# KiCad board 96_keeb.kicad_pcb (continued)
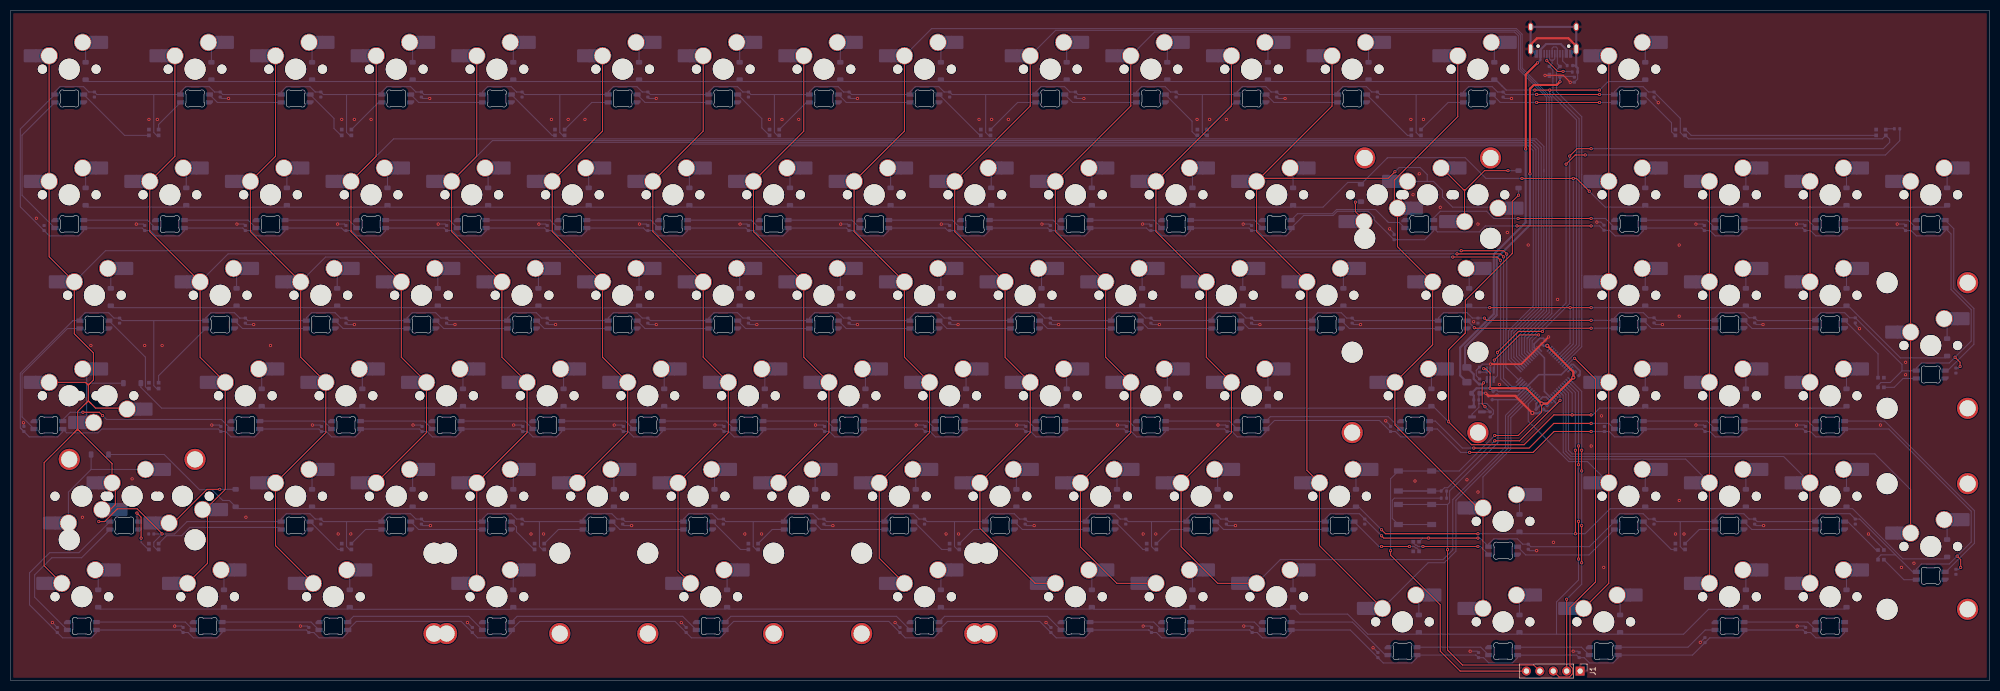
[diagram p0: board, top side]
## Placement (name value [footprint] x y rotation side) (continued)
MX90  MX_SW_HS  [SW_MX_HS_CPG151101S11_1u]  13.49 15.87 180 bottom
MX91  MX_SW_HS  [SW_MX_HS_CPG151101S11_1u]  37.31 15.87 180 bottom
MX92  MX_SW_HS  [SW_MX_HS_CPG151101S11_1u]  61.12 15.87 180 bottom
MX93  MX_SW_HS  [SW_MX_HS_CPG151101S11_1u]  92.08 15.87 180 bottom
MX94  MX_SW_HS  [SW_MX_HS_CPG151101S11_1u]  132.56 15.87 180 bottom
MX95  MX_SW_HS  [SW_MX_HS_CPG151101S11_1u]  173.04 15.87 180 bottom
MX96  MX_SW_HS  [SW_MX_HS_CPG151101S11_1u]  201.61 15.87 180 bottom
MX97  MX_SW_HS  [SW_MX_HS_CPG151101S11_1u]  220.66 15.87 180 bottom
MX98  MX_SW_HS  [SW_MX_HS_CPG151101S11_1u]  239.71 15.87 180 bottom
MX99  MX_SW_HS  [SW_MX_HS_CPG151101S11_1u]  325.44 15.87 180 bottom
MX100  MX_SW_HS  [SW_MX_HS_CPG151101S11_1u]  344.49 15.87 180 bottom
MX101  MX_SW_HS  [SW_MX_HS_CPG151101S11_1u]  263.52 11.11 180 bottom
MX102  MX_SW_HS  [SW_MX_HS_CPG151101S11_1u]  282.57 11.11 180 bottom
MX103  MX_SW_HS  [SW_MX_HS_CPG151101S11_1u]  301.62 11.11 180 bottom
R1  5.1k  [R_0402_1005Metric]  296.18 115.34 180 bottom
R2  5.1k  [R_0402_1005Metric]  295.22 116.57 0 bottom
R3  5.1k  [R_0402_1005Metric]  271.37 35.91 0 bottom
R4  5.1k  [R_0402_1005Metric]  271.37 34.56 180 bottom
R5  500OHM  [R_0402_1005Metric]  357.16 104.58 0 bottom
RST1  SW_SPST  [SW_SPST_TL3342]  265.9 31.46 180 bottom
S30  MX_stab  [STAB_MX_P_2u]  268.29 92.07 180 bottom
S53  MX_stab  [STAB_MX_P_2u]  363.54 63.5 90 bottom
S67  MX_stab  [STAB_MX_P_2.25u]  265.91 53.97 0 bottom
S72  MX_stab  [STAB_MX_P_2.25u]  23.02 34.92 180 bottom
S89  MX_stab  [STAB_MX_P_2u]  363.54 25.4 90 bottom
S93  MX_stab  [STAB_MX_P_2u]  92.08 15.87 0 bottom
S94  MX_stab  [STAB_MX_P_2.25u]  132.56 15.87 0 bottom
S94_main1  MX_stab  [STAB_MX_P_6.25u]  132.56 15.87 0 bottom
S95  MX_stab  [STAB_MX_P_2u]  173.04 15.87 0 bottom
U1  STM32F072CBT6  [LQFP-48_7x7mm_P0.5mm]  290.4 57.97 45 bottom
U2  TXB0101  [SOT-363_SC-70-6]  280.15 57.95 270 bottom
U3  PRTR5V0U2X  [SOT-143]  292.35 115.47 0 bottom
U4  XC6206PxxxMR-Regulator_Linear  [SOT-23]  277.63 50.91 0 bottom
ULED1  WS2812B-2020  [LED_WS2812B-2020_PLCC4_2.0x2.0mm]  27.11 103.89 0 bottom
ULED2  WS2812B-2020  [LED_WS2812B-2020_PLCC4_2.0x2.0mm]  63.61 103.89 0 bottom
ULED3  WS2812B-2020  [LED_WS2812B-2020_PLCC4_2.0x2.0mm]  103.99 103.89 0 bottom
ULED4  WS2812B-2020  [LED_WS2812B-2020_PLCC4_2.0x2.0mm]  144.61 103.89 0 bottom
ULED5  WS2812B-2020  [LED_WS2812B-2020_PLCC4_2.0x2.0mm]  184.61 103.89 0 bottom
ULED6  WS2812B-2020  [LED_WS2812B-2020_PLCC4_2.0x2.0mm]  225.61 103.89 0 bottom
ULED7  WS2812B-2020  [LED_WS2812B-2020_PLCC4_2.0x2.0mm]  266.11 103.89 0 bottom
ULED8  WS2812B-2020  [LED_WS2812B-2020_PLCC4_2.0x2.0mm]  316.11 103.89 0 bottom
ULED9  WS2812B-2020  [LED_WS2812B-2020_PLCC4_2.0x2.0mm]  354.11 103.89 0 bottom
ULED10  WS2812B-2020  [LED_WS2812B-2020_PLCC4_2.0x2.0mm]  27.11 55.89 0 bottom
ULED11  WS2812B-2020  [LED_WS2812B-2020_PLCC4_2.0x2.0mm]  354.11 56.48 270 bottom
ULED12  WS2812B-2020  [LED_WS2812B-2020_PLCC4_2.0x2.0mm]  27.11 25.39 0 bottom
ULED13  WS2812B-2020  [LED_WS2812B-2020_PLCC4_2.0x2.0mm]  63.61 25.39 0 bottom
ULED14  WS2812B-2020  [LED_WS2812B-2020_PLCC4_2.0x2.0mm]  100.12 25.39 0 bottom
ULED15  WS2812B-2020  [LED_WS2812B-2020_PLCC4_2.0x2.0mm]  140.61 25.39 0 bottom
ULED16  WS2812B-2020  [LED_WS2812B-2020_PLCC4_2.0x2.0mm]  178.71 25.39 0 bottom
ULED17  WS2812B-2020  [LED_WS2812B-2020_PLCC4_2.0x2.0mm]  216.01 25.39 0 bottom
ULED18  WS2812B-2020  [LED_WS2812B-2020_PLCC4_2.0x2.0mm]  266.11 25.39 90 bottom
ULED19  WS2812B-2020  [LED_WS2812B-2020_PLCC4_2.0x2.0mm]  316.11 25.39 0 bottom
ULED20  WS2812B-2020  [LED_WS2812B-2020_PLCC4_2.0x2.0mm]  354.11 23.81 270 bottom

## Library data of the parts
C1-C12 = -: LCSC: C307331; ki_fp_filters: C_*
C13-C110 = -: Description: Unpolarized capacitor; ki_fp_filters: C_*
D1-D100 = -: Description: Diode; Sim.Pins: 1=K 2=A; ki_fp_filters: TO-???* *_Diode_* *SingleDiode* D_*
F1 = -: LCSC: C135341; ki_fp_filters: *polyfuse* *PTC*
J1 = -: Description: Generic connector, single row, 01x05, script generated (kicad-library-utils/schlib/autogen/connector/); ki_fp_filters: Connector*:*_1x??_*
J2 = -: Datasheet: https://www.usb.org/sites/default/files/documents/usb_type-c.zip; JlcPosOffset: 0,1.5; JlcRotOffset: 180; ki_fp_filters: USB*C*Receptacle*
LED1-LED98 = -: Description: Reverse mount adressable LED (WS2812 protocol)
MX1-MX103 = -: Description: Push button switch, normally open, two pins, 45° tilted, Kailh CPG151101S11 for Cherry MX style switches
R1-R4 = -: ki_fp_filters: R_*
R5 = -: Description: Resistor; ki_fp_filters: R_*
S30 S53 S67 S72 S89 S93 S94 S94_main1 S95 = -: Description: Cherry MX-style stabilizer
U1 = -: Datasheet: https://www.st.com/resource/en/datasheet/stm32f072cb.pdf; JlcRotOffset: 90; ki_fp_filters: LQFP*7x7mm*P0.5mm*
U2 = -: Datasheet: https://datasheet.lcsc.com/szlcsc/Texas-Instruments-TI-TXB0101DCKR_C324081.pdf; Description: 1-Bit Bidirectional Voltage-Level Translator; LCSC: C324081; ki_fp_filters: TSSOP*P0.65mm*
U3 = -: Datasheet: https://assets.nexperia.com/documents/data-sheet/PRTR5V0U2X.pdf; LCSC: C2827688; JlcRotOffset: 90; ki_fp_filters: SOT?143*
U4 = -: Datasheet: https://www.torexsemi.com/file/xc6206/XC6206.pdf; LCSC: C5446; ki_fp_filters: SOT?23*
ULED1-ULED20 = -: Datasheet: https://cdn-shop.adafruit.com/product-files/4684/4684_WS2812B-2020_V1.3_EN.pdf; Description: RGB LED with integrated controller, 2.0 x 2.0 mm, 12 mA; ki_fp_filters: LED*WS2812*-2020_PLCC4*

## Footprints (pads in the part's own frame, mm; a bottom-side part is the same pattern mirrored in y, then rotated)
C_0402_1005Metric
  rrect 0.56x0.62 smd: 1(-0.48,0) 2(0.48,0)
C_0603_1608Metric
  rrect 0.9x0.95 smd: 1(-0.775,0) 2(0.775,0)
D_SOD-123
  rrect 0.9x1.2 smd: 1(-1.65,0) 2(1.65,0)
Fuse_1206_3216Metric
  rrect 1.25x1.75 smd: 1(-1.4,0) 2(1.4,0)
LED_6028R
  rrect 1.35x0.82 smd: 1(2.725,0.75) 2(2.725,-0.75) 3(-2.725,0.75) 4(-2.725,-0.75)
LED_WS2812B-2020_PLCC4_2.0x2.0mm
  rect 0.7x0.7 smd: 1(-0.915,0.55) 2(-0.915,-0.55) 3(0.915,-0.55) 4(0.915,0.55)
LQFP-48_7x7mm_P0.5mm
  rrect 1.475x0.3 smd: 1(-4.162,2.75) 2(-4.162,2.25) 3(-4.162,1.75) 4(-4.162,1.25) 5(-4.162,0.75) 6(-4.162,0.25) 7(-4.162,-0.25) 8(-4.162,-0.75) 9(-4.162,-1.25) 10(-4.162,-1.75) 11(-4.162,-2.25) 12(-4.162,-2.75) 25(4.162,-2.75) 26(4.162,-2.25) 27(4.162,-1.75) 28(4.162,-1.25) 29(4.162,-0.75) 30(4.162,-0.25) 31(4.162,0.25) 32(4.162,0.75) 33(4.162,1.25) 34(4.162,1.75) 35(4.162,2.25) 36(4.162,2.75)
  rrect 0.3x1.475 smd: 13(-2.75,-4.162) 14(-2.25,-4.162) 15(-1.75,-4.162) 16(-1.25,-4.162) 17(-0.75,-4.162) 18(-0.25,-4.162) 19(0.25,-4.162) 20(0.75,-4.162) 21(1.25,-4.162) 22(1.75,-4.162) 23(2.25,-4.162) 24(2.75,-4.162) 37(2.75,4.162) 38(2.25,4.162) 39(1.75,4.162) 40(1.25,4.162) 41(0.75,4.162) 42(0.25,4.162) 43(-0.25,4.162) 44(-0.75,4.162) 45(-1.25,4.162) 46(-1.75,4.162) 47(-2.25,4.162) 48(-2.75,4.162)
PinHeader_1x05_P2.54mm_Vertical
  rect 1.7x1.7 hole 1: 1(0,0)
  oval 1.7x1.7 hole 1: 2(0,-2.54) 3(0,-5.08) 4(0,-7.62) 5(0,-10.16)
R_0402_1005Metric
  rrect 0.54x0.64 smd: 1(-0.51,0) 2(0.51,0)
SOT-23
  rrect 1.475x0.6 smd: 1(-0.938,0.95) 2(-0.938,-0.95) 3(0.938,0)
SOT-143
  rrect 0.7x1 smd: 1(-1,0.75)
  rrect 0.7x0.6 smd: 2(-1,-0.95) 3(1,-0.95) 4(1,0.95)
SOT-363_SC-70-6
  rrect 1.325x0.4 smd: 1(-0.887,0.65) 2(-0.887,0) 3(-0.887,-0.65) 4(0.887,-0.65) 5(0.887,0) 6(0.887,0.65)
STAB_MX_P_2.25u
  round 3.988 hole 3.988 unplated: (-11.906,-8.255) (11.906,-8.255)
  round 4 hole 3.048: (-11.906,6.985) (11.906,6.985)
STAB_MX_P_2u
  round 3.988 hole 3.988 unplated: (-11.906,-8.255) (11.906,-8.255)
  round 4 hole 3.048: (-11.906,6.985) (11.906,6.985)
STAB_MX_P_6.25u
  round 3.988 hole 3.988 unplated: (-50.006,-8.255) (50.006,-8.255)
  round 4 hole 3.048: (-50.006,6.985) (50.006,6.985)
SW_MX_HS_CPG151101S11_1u
  round 1.75 hole 1.75 unplated: (-5.08,0) (5.08,0)
  round 3.988 hole 3.988 unplated: (0,0)
  round 3.3 hole 3: 1(3.81,2.54) 2(-2.54,5.08)
  rect 1.65x2.5 smd: 1(5.635,2.54) 2(-4.34,5.08)
  rrect 2.55x2.5 smd: 1(7.36,2.54) 2(-6.09,5.08)
SW_SPST_TL3342
  rect 1.7x1 smd: 1(-3.15,1.9) 1(3.15,1.9) 2(-3.15,-1.9) 2(3.15,-1.9)
USB_C_Receptacle_HRO_TYPE-C-31-M-12
  round 0.65 hole 0.65 unplated: (-2.89,2.6) (2.89,2.6)
  rect 0.6x1.45 smd: A1(-3.25,4.045) A4(-2.45,4.045) A9(2.45,4.045) A12(3.25,4.045) B1(3.25,4.045) B4(2.45,4.045) B9(-2.45,4.045) B12(-3.25,4.045)
  rect 0.3x1.45 smd: A5(-1.25,4.045) A6(-0.25,4.045) A7(0.25,4.045) A8(1.25,4.045) B5(1.75,4.045) B6(0.75,4.045) B7(-0.75,4.045) B8(-1.75,4.045)
  oval 1x1.6 hole 0.6x1.2: S1(-4.32,-1.05) S1(4.32,-1.05)
  oval 1x2.1 hole 0.6x1.7: S1(-4.32,3.13) S1(4.32,3.13)

## Nets
+3V3: BOOT1.1 C1.2 C4.1 C5.1 C6.1 C7.1 C8.1 C9.1 C12.1 J1.5 U1.1 U1.9 U1.24 U1.36 U1.48 U2.1 U2.5 U4.2
+5V: C2.1 C10.1 C11.1 F1.2 U2.6 U3.4 U4.3
GND: C1.1 C2.2 C3.2 C4.2 C5.2 C6.2 C7.2 C8.2 C9.2 C10.2 C11.2 C12.2 C13.1 C14.1 C15.1 C16.1 C17.1 C18.1 C19.1 C20.1 C21.1 C22.1 C23.1 C24.1 C25.1 C26.1 C27.1 C28.1 C29.1 C30.1 C31.1 C32.1 C33.1 C34.1 C35.1 C36.1 C37.1 C38.1 C39.1 C40.1 C41.1 C42.1 C43.1 C44.1 C45.1 C46.1 C47.1 C48.1 C49.1 C50.1 C51.1 C52.1 C53.1 C54.1 C55.1 C56.1 C57.1 C58.1 C59.1 C60.1 C61.1 C62.1 C63.1 C64.1 C65.1 C66.1 C67.1 C68.1 C69.1 C70.1 C71.1 C72.1 C73.1 C74.1 C75.1 C76.1 C77.1 C78.1 C79.1 C80.1 C81.1 C82.1 C83.1 C84.1 C85.1 C86.1 C87.1 C88.1 C89.1 C90.1 C91.1 C92.1 C93.1 C94.1 C95.1 C96.1 C97.1 C98.1 C99.1 C100.1 C101.1 C102.1 C103.1 C104.1 C105.1 C106.1 C107.1 C108.1 C109.1 C110.1 J1.1 J2.A1 J2.A12 J2.B1 J2.B12 J2.S1 LED1.4 LED2.4 LED3.4 LED4.4 LED5.4 LED6.4 LED7.4 LED8.4 LED9.4 LED10.4 LED11.4 LED12.4 LED13.4 LED14.4 LED15.4 LED16.4 LED17.4 LED18.4 LED19.4 LED20.4 LED21.4 LED22.4 LED23.4 LED24.4 LED25.4 LED26.4 LED27.4 LED28.4 LED29.4 LED30.4 LED31.4 LED32.4 LED33.4 LED34.4 LED35.4 LED36.4 LED37.4 LED38.4 LED39.4 LED40.4 LED41.4 LED42.4 LED43.4 LED44.4 LED45.4 LED46.4 LED47.4 LED48.4 LED49.4 LED50.4 LED51.4 LED52.4 LED53.4 LED54.4 LED55.4 LED56.4 LED57.4 LED58.4 LED59.4 LED60.4 LED61.4 LED62.4 LED63.4 LED64.4 LED65.4 LED66.4 LED67.4 LED68.4 LED69.4 LED70.4 LED71.4 LED72.4 LED73.4 LED74.4 LED75.4 LED76.4 LED77.4 LED78.4 LED79.4 LED80.4 LED81.4 LED82.4 LED83.4 LED84.4 LED85.4 LED86.4 LED87.4 LED88.4 LED89.4 LED90.4 LED91.4 LED92.4 LED93.4 LED94.4 LED95.4 LED96.4 LED97.4 LED98.4 R1.1 R2.2 R4.2 RST1.2 U1.8 U1.23 U1.35 U1.47 U2.2 U3.1 U4.1 ULED1.2 ULED2.2 ULED3.2 ULED4.2 ULED5.2 ULED6.2 ULED7.2 ULED8.2 ULED9.2 ULED10.2 ULED11.2 ULED12.2 ULED13.2 ULED14.2 ULED15.2 ULED16.2 ULED17.2 ULED18.2 ULED19.2 ULED20.2
VBUS: F1.1 J2.A4 J2.A9 J2.B4 J2.B9
/B12: U1.25
/B13: U1.26
/B14: U1.27
/B15: U1.28
/C13: U1.2
BOOT0: BOOT1.2 R3.1 U1.44
col_0: MX1.1 MX16.1 MX36.1 MX54.1 MX55.1 MX71.1 MX72.1 MX90.1 U1.12
col_1: MX2.1 MX17.1 MX37.1 MX56.1 MX73.1 MX91.1 U1.11
col_2: MX3.1 MX18.1 MX38.1 MX57.1 MX74.1 MX92.1 U1.10
col_3: MX4.1 MX19.1 MX39.1 MX58.1 MX75.1 U1.17
col_4: MX5.1 MX20.1 MX40.1 MX59.1 MX76.1 MX93.1 U1.16
col_5: MX6.1 MX21.1 MX41.1 MX60.1 MX77.1 U1.15
col_6: MX7.1 MX22.1 MX42.1 MX61.1 MX78.1 MX94.1 U1.14
col_7: MX8.1 MX23.1 MX43.1 MX62.1 MX79.1 U1.13
col_8: MX9.1 MX24.1 MX44.1 MX63.1 MX80.1 MX95.1 U1.20
col_9: MX10.1 MX25.1 MX45.1 MX64.1 MX81.1 MX96.1 U1.19
col_10: MX11.1 MX26.1 MX46.1 MX65.1 MX82.1 MX97.1 U1.18
col_11: MX12.1 MX27.1 MX47.1 MX66.1 MX83.1 MX98.1 U1.6
col_12: MX13.1 MX28.1 MX30.1 MX31.1 MX48.1 MX84.1 MX101.1 U1.5
col_13: MX14.1 MX29.1 MX49.1 MX67.1 MX88.1 MX102.1 U1.4
col_14: MX15.1 MX32.1 MX50.1 MX68.1 MX85.1 MX103.1 U1.3
col_15: MX33.1 MX51.1 MX69.1 MX86.1 MX99.1 U1.43
col_16: MX34.1 MX52.1 MX70.1 MX87.1 MX100.1 U1.42
col_17: MX35.1 MX53.1 MX89.1 U1.41
D+: J2.A6 J2.B6 U1.33 U3.3
D-: J2.A7 J2.B7 U1.32 U3.2
led_input: R5.2 U1.21
led_input_1: LED1.2 LED16.3
led_input_2: LED33.2 LED51.3
led_input_3: LED34.2 LED52.3
led_input_4: LED67.2 LED84.3
led_input_5: LED68.2 LED85.3
NRST: C3.1 J1.4 RST1.1 U1.7
RGB3.3: U1.22 U2.3
RGB5v: C13.2 C14.2 C15.2 C16.2 C17.2 C18.2 C19.2 C20.2 C21.2 C22.2 C23.2 C24.2 C25.2 C26.2 C27.2 C28.2 C29.2 C30.2 C31.2 C32.2 C33.2 C34.2 C35.2 C36.2 C37.2 C38.2 C39.2 C40.2 C41.2 C42.2 C43.2 C44.2 C45.2 C46.2 C47.2 C48.2 C49.2 C50.2 C51.2 C52.2 C53.2 C54.2 C55.2 C56.2 C57.2 C58.2 C59.2 C60.2 C61.2 C62.2 C63.2 C64.2 C65.2 C66.2 C67.2 C68.2 C69.2 C70.2 C71.2 C72.2 C73.2 C74.2 C75.2 C76.2 C77.2 C78.2 C79.2 C80.2 C81.2 C82.2 C83.2 C84.2 C85.2 C86.2 C87.2 C88.2 C89.2 C90.2 C91.2 C92.2 C93.2 C94.2 C95.2 C96.2 C97.2 C98.2 C99.2 C100.2 C101.2 C102.2 C103.2 C104.2 C105.2 C106.2 C107.2 C108.2 C109.2 C110.2 LED1.1 LED2.1 LED3.1 LED4.1 LED5.1 LED6.1 LED7.1 LED8.1 LED9.1 LED10.1 LED11.1 LED12.1 LED13.1 LED14.1 LED15.1 LED16.1 LED17.1 LED18.1 LED19.1 LED20.1 LED21.1 LED22.1 LED23.1 LED24.1 LED25.1 LED26.1 LED27.1 LED28.1 LED29.1 LED30.1 LED31.1 LED32.1 LED33.1 LED34.1 LED35.1 LED36.1 LED37.1 LED38.1 LED39.1 LED40.1 LED41.1 LED42.1 LED43.1 LED44.1 LED45.1 LED46.1 LED47.1 LED48.1 LED49.1 LED50.1 LED51.1 LED52.1 LED53.1 LED54.1 LED55.1 LED56.1 LED57.1 LED58.1 LED59.1 LED60.1 LED61.1 LED62.1 LED63.1 LED64.1 LED65.1 LED66.1 LED67.1 LED68.1 LED69.1 LED70.1 LED71.1 LED72.1 LED73.1 LED74.1 LED75.1 LED76.1 LED77.1 LED78.1 LED79.1 LED80.1 LED81.1 LED82.1 LED83.1 LED84.1 LED85.1 LED86.1 LED87.1 LED88.1 LED89.1 LED90.1 LED91.1 LED92.1 LED93.1 LED94.1 LED95.1 LED96.1 LED97.1 LED98.1 U2.4 ULED1.4 ULED2.4 ULED3.4 ULED4.4 ULED5.4 ULED6.4 ULED7.4 ULED8.4 ULED9.4 ULED10.4 ULED11.4 ULED12.4 ULED13.4 ULED14.4 ULED15.4 ULED16.4 ULED17.4 ULED18.4 ULED19.4 ULED20.4
row_0: D1.1 D2.1 D3.1 D4.1 D5.1 D6.1 D7.1 D8.1 D9.1 D10.1 D11.1 D12.1 D13.1 D14.1 D15.1 U1.31
row_1: D16.1 D17.1 D18.1 D19.1 D20.1 D21.1 D22.1 D23.1 D24.1 D25.1 D26.1 D27.1 D28.1 D29.1 D31.1 D32.1 D33.1 D34.1 U1.30
row_2: D35.1 D36.1 D37.1 D38.1 D39.1 D40.1 D41.1 D42.1 D43.1 D44.1 D45.1 D46.1 D47.1 D48.1 D49.1 D50.1 D51.1 D52.1 U1.29
row_3: D30.1 D53.1 D54.1 D55.1 D56.1 D57.1 D58.1 D59.1 D60.1 D61.1 D62.1 D63.1 D64.1 D65.1 D66.1 D67.1 D68.1 U1.40
row_4: D69.1 D70.1 D71.1 D72.1 D73.1 D74.1 D75.1 D76.1 D77.1 D78.1 D79.1 D80.1 D81.1 D82.1 D83.1 D84.1 D85.1 D86.1 U1.39
row_5: D87.1 D88.1 D89.1 D90.1 D91.1 D92.1 D93.1 D94.1 D95.1 D96.1 D97.1 D98.1 D99.1 D100.1 U1.38
SCL: U1.45
SDA: U1.46
SWCLK: J1.2 U1.37
SWD: J1.3 U1.34
Net-(D1-A): D1.2 MX1.2
Net-(D2-A): D2.2 MX2.2
Net-(D3-A): D3.2 MX3.2
Net-(D4-A): D4.2 MX4.2
Net-(D5-A): D5.2 MX5.2
Net-(D6-A): D6.2 MX6.2
Net-(D7-A): D7.2 MX7.2
Net-(D8-A): D8.2 MX8.2
Net-(D9-A): D9.2 MX9.2
Net-(D10-A): D10.2 MX10.2
Net-(D11-A): D11.2 MX11.2
Net-(D12-A): D12.2 MX12.2
Net-(D13-A): D13.2 MX13.2
Net-(D14-A): D14.2 MX14.2
Net-(D15-A): D15.2 MX15.2
Net-(D16-A): D16.2 MX16.2
Net-(D17-A): D17.2 MX17.2
Net-(D18-A): D18.2 MX18.2
Net-(D19-A): D19.2 MX19.2
Net-(D20-A): D20.2 MX20.2
Net-(D21-A): D21.2 MX21.2
Net-(D22-A): D22.2 MX22.2
Net-(D23-A): D23.2 MX23.2
Net-(D24-A): D24.2 MX24.2
Net-(D25-A): D25.2 MX25.2
Net-(D26-A): D26.2 MX26.2
Net-(D27-A): D27.2 MX27.2
Net-(D28-A): D28.2 MX28.2
Net-(D29-A): D29.2 MX29.2
Net-(D30-A): D30.2 MX30.2 MX31.2
Net-(D31-A): D31.2 MX32.2
Net-(D32-A): D32.2 MX33.2
Net-(D33-A): D33.2 MX34.2
Net-(D34-A): D34.2 MX35.2
Net-(D35-A): D35.2 MX36.2
Net-(D36-A): D36.2 MX37.2
Net-(D37-A): D37.2 MX38.2
Net-(D38-A): D38.2 MX39.2
Net-(D39-A): D39.2 MX40.2
Net-(D40-A): D40.2 MX41.2
Net-(D41-A): D41.2 MX42.2
Net-(D42-A): D42.2 MX43.2
Net-(D43-A): D43.2 MX44.2
Net-(D44-A): D44.2 MX45.2
Net-(D45-A): D45.2 MX46.2
Net-(D46-A): D46.2 MX47.2
Net-(D47-A): D47.2 MX48.2
Net-(D48-A): D48.2 MX49.2
Net-(D49-A): D49.2 MX50.2
Net-(D50-A): D50.2 MX51.2
Net-(D51-A): D51.2 MX52.2
Net-(D52-A): D52.2 MX53.2
Net-(D53-A): D53.2 MX54.2 MX55.2
Net-(D54-A): D54.2 MX56.2
Net-(D55-A): D55.2 MX57.2
Net-(D56-A): D56.2 MX58.2
Net-(D57-A): D57.2 MX59.2
Net-(D58-A): D58.2 MX60.2
Net-(D59-A): D59.2 MX61.2
Net-(D60-A): D60.2 MX62.2
Net-(D61-A): D61.2 MX63.2
Net-(D62-A): D62.2 MX64.2
Net-(D63-A): D63.2 MX65.2
Net-(D64-A): D64.2 MX66.2
Net-(D65-A): D65.2 MX67.2
Net-(D66-A): D66.2 MX68.2
Net-(D67-A): D67.2 MX69.2
Net-(D68-A): D68.2 MX70.2
Net-(D69-A): D69.2 MX71.2 MX72.2
Net-(D70-A): D70.2 MX73.2
Net-(D71-A): D71.2 MX74.2
Net-(D72-A): D72.2 MX75.2
Net-(D73-A): D73.2 MX76.2
Net-(D74-A): D74.2 MX77.2
Net-(D75-A): D75.2 MX78.2
Net-(D76-A): D76.2 MX79.2
Net-(D77-A): D77.2 MX80.2
Net-(D78-A): D78.2 MX81.2
Net-(D79-A): D79.2 MX82.2
Net-(D80-A): D80.2 MX83.2
Net-(D81-A): D81.2 MX84.2
Net-(D82-A): D82.2 MX85.2
Net-(D83-A): D83.2 MX86.2
Net-(D84-A): D84.2 MX87.2
Net-(D85-A): D85.2 MX88.2
Net-(D86-A): D86.2 MX89.2
Net-(D87-A): D87.2 MX90.2
Net-(D88-A): D88.2 MX91.2
Net-(D89-A): D89.2 MX92.2
Net-(D90-A): D90.2 MX93.2
Net-(D91-A): D91.2 MX94.2
Net-(D92-A): D92.2 MX95.2
Net-(D93-A): D93.2 MX96.2
Net-(D94-A): D94.2 MX97.2
Net-(D95-A): D95.2 MX98.2
Net-(D96-A): D96.2 MX99.2
Net-(D97-A): D97.2 MX100.2
Net-(D98-A): D98.2 MX101.2
Net-(D99-A): D99.2 MX102.2
Net-(D100-A): D100.2 MX103.2
Net-(J2-CC1): J2.A5 R1.2
Net-(J2-CC2): J2.B5 R2.1
Net-(LED1-DIN): LED1.3 ULED1.1
Net-(LED2-DIN): LED2.3 LED3.2
Net-(LED2-DOUT): LED2.2 ULED1.3
Net-(LED3-DIN): LED3.3 ULED2.1
Net-(LED4-DIN): LED4.3 LED5.2
Net-(LED4-DOUT): LED4.2 ULED2.3
Net-(LED5-DIN): LED5.3 ULED3.1
Net-(LED6-DIN): LED6.3 LED7.2
Net-(LED6-DOUT): LED6.2 ULED3.3
Net-(LED7-DIN): LED7.3 ULED4.1
Net-(LED8-DIN): LED8.3 LED9.2
Net-(LED8-DOUT): LED8.2 ULED4.3
Net-(LED9-DIN): LED9.3 ULED5.1
Net-(LED10-DIN): LED10.3 LED11.2
Net-(LED10-DOUT): LED10.2 ULED5.3
Net-(LED11-DIN): LED11.3 ULED6.1
Net-(LED12-DIN): LED12.3 LED13.2
Net-(LED12-DOUT): LED12.2 ULED6.3
Net-(LED13-DIN): LED13.3 ULED7.1
Net-(LED14-DIN): LED14.3 LED15.2
Net-(LED14-DOUT): LED14.2 ULED7.3
Net-(LED15-DIN): LED15.3 ULED8.1
Net-(LED16-DOUT): LED16.2 LED17.3
Net-(LED17-DOUT): LED17.2 LED18.3
Net-(LED18-DOUT): LED18.2 LED19.3
Net-(LED19-DOUT): LED19.2 LED20.3
Net-(LED20-DOUT): LED20.2 LED21.3
Net-(LED21-DOUT): LED21.2 LED22.3
Net-(LED22-DOUT): LED22.2 LED23.3
Net-(LED23-DOUT): LED23.2 LED24.3
Net-(LED24-DOUT): LED24.2 LED25.3
Net-(LED25-DOUT): LED25.2 LED26.3
Net-(LED26-DOUT): LED26.2 LED27.3
Net-(LED27-DOUT): LED27.2 LED28.3
Net-(LED28-DOUT): LED28.2 LED29.3
Net-(LED29-DOUT): LED29.2 LED30.3
Net-(LED30-DOUT): LED30.2 LED31.3
Net-(LED31-DOUT): LED31.2 LED32.3
Net-(LED32-DOUT): LED32.2 LED33.3
Net-(LED34-DIN): LED34.3 ULED10.1
Net-(LED35-DIN): LED35.3 LED36.2
Net-(LED35-DOUT): LED35.2 ULED10.3
Net-(LED36-DIN): LED36.3 LED37.2
Net-(LED37-DIN): LED37.3 LED38.2
Net-(LED38-DIN): LED38.3 LED39.2
Net-(LED39-DIN): LED39.3 LED40.2
Net-(LED40-DIN): LED40.3 LED41.2
Net-(LED41-DIN): LED41.3 LED42.2
Net-(LED42-DIN): LED42.3 LED43.2
Net-(LED43-DIN): LED43.3 LED44.2
Net-(LED44-DIN): LED44.3 LED45.2
Net-(LED45-DIN): LED45.3 LED46.2
Net-(LED46-DIN): LED46.3 LED47.2
Net-(LED47-DIN): LED47.3 LED48.2
Net-(LED48-DIN): LED48.3 LED49.2
Net-(LED49-DIN): LED49.3 LED50.2
Net-(LED50-DIN): LED50.3 ULED11.1
Net-(LED51-DOUT): LED51.2 ULED11.3
Net-(LED52-DOUT): LED52.2 LED53.3
Net-(LED53-DOUT): LED53.2 LED54.3
Net-(LED54-DOUT): LED54.2 LED55.3
Net-(LED55-DOUT): LED55.2 LED56.3
Net-(LED56-DOUT): LED56.2 LED57.3
Net-(LED57-DOUT): LED57.2 LED58.3
Net-(LED58-DOUT): LED58.2 LED59.3
Net-(LED59-DOUT): LED59.2 LED60.3
Net-(LED60-DOUT): LED60.2 LED61.3
Net-(LED61-DOUT): LED61.2 LED62.3
Net-(LED62-DOUT): LED62.2 LED63.3
Net-(LED63-DOUT): LED63.2 LED64.3
Net-(LED64-DOUT): LED64.2 LED65.3
Net-(LED65-DOUT): LED65.2 LED66.3
Net-(LED66-DOUT): LED66.2 LED67.3
Net-(LED68-DIN): LED68.3 ULED12.1
Net-(LED69-DIN): LED69.3 ULED13.1
Net-(LED69-DOUT): LED69.2 ULED12.3
Net-(LED70-DIN): LED70.3 LED71.2
Net-(LED70-DOUT): LED70.2 ULED13.3
Net-(LED71-DIN): LED71.3 ULED14.1
Net-(LED72-DIN): LED72.3 LED73.2
Net-(LED72-DOUT): LED72.2 ULED14.3
Net-(LED73-DIN): LED73.3 ULED15.1
Net-(LED74-DIN): LED74.3 LED75.2
Net-(LED74-DOUT): LED74.2 ULED15.3
Net-(LED75-DIN): LED75.3 ULED16.1
Net-(LED76-DIN): LED76.3 LED77.2
Net-(LED76-DOUT): LED76.2 ULED16.3
Net-(LED77-DIN): LED77.3 ULED17.1
Net-(LED78-DIN): LED78.3 LED79.2
Net-(LED78-DOUT): LED78.2 ULED17.3
Net-(LED79-DIN): LED79.3 ULED18.1
Net-(LED80-DIN): LED80.3 LED81.2
Net-(LED80-DOUT): LED80.2 ULED18.3
Net-(LED81-DIN): LED81.3 ULED19.1
Net-(LED82-DIN): LED82.3 LED83.2
Net-(LED82-DOUT): LED82.2 ULED19.3
Net-(LED83-DIN): LED83.3 ULED20.1
Net-(LED84-DOUT): LED84.2 ULED20.3
Net-(LED85-DOUT): LED85.2 LED86.3
Net-(LED86-DOUT): LED86.2 LED87.3
Net-(LED87-DOUT): LED87.2 LED88.3
Net-(LED88-DOUT): LED88.2 LED89.3
Net-(LED89-DOUT): LED89.2 LED90.3
Net-(LED90-DOUT): LED90.2 LED91.3
Net-(LED91-DOUT): LED91.2 LED92.3
Net-(LED92-DOUT): LED92.2 LED93.3
Net-(LED93-DOUT): LED93.2 LED94.3
Net-(LED94-DOUT): LED94.2 LED95.3
Net-(LED95-DOUT): LED95.2 LED96.3
Net-(LED96-DOUT): LED96.2 LED97.3
Net-(LED97-DOUT): LED97.2 LED98.3
Net-(R3-Pad2): R3.2 R4.1
Net-(ULED8-DIN): ULED8.3 ULED9.1
Net-(ULED9-DIN): R5.1 ULED9.3

Pads without a net: J2 A8 B8; LED98 2

## Via types
v1: diameter 0.6, hole 0.3, Top to Bottom, 238 vias
v2: diameter 0.8, hole 0.4, Top to Bottom, 4 vias

## Routing (per net, layer and track width the routed paths; a pad name or vN(x,y) marks a point on that pad's centre or on a via; arc(x,y) is an arc through that point)
+3V3: length 152.4
  Top w0.2: v1(261.27,24.61) 261.27,23.75 270.67,14.35 270.67,5.56 274.44,1.78 J1.5 ; v1(280.99,46.44) 285.45,46.44 289.87,50.86 v2(289.87,52.49) ; v1(280.12,55.39) 280.12,58.24 279.26,59.1 v1(278.9,59.1)
  Top w0.4: v1(280.12,55.39) 286.96,55.39 v2(289.87,52.49) 290.93,52.49 v2(295.88,57.44) 295.88,58.5 v2(290.93,63.45)
  Bottom w0.2: U2.1 279.16,58.84 v1(278.9,59.1) ; v1(261.27,24.61) 261.27,38.23 BOOT1.1 BOOT1.1 274.26,39.71 v1(280.99,46.44) ; C1.2 279.41,58.45
  Bottom w0.3: C5.1 295.76,58.97 U1.36 ; U1.24 289.4,63.33 C6.1 ; C9.1 280.94,55.01 281.44,55.01 281.66,54.79 285.45,54.79 ; 285.59,54.93 285.45,54.79 ; 285.59,54.93 U1.9 ; 285.59,54.93 285.45,54.79 ; C8.1 288.82,52.5 U1.1 290.04,53.72 290.75,53.72 U1.48 291.4,52.6 C7.1
  Bottom w0.4: C6.1 290.25,63.45 v2(290.93,63.45) ; C7.1 290.55,52.49 v2(289.87,52.49) 289.87,52.46 C8.1 ; C5.1 295.88,58.12 v2(295.88,57.44) ; U2.5 280.15,55.42 v1(280.12,55.39) ; C4.1 277.54,55.39 v1(280.12,55.39) ; 276.63,54.43 277.03,54.02 C12.1 277.03,52.2 U4.2 ; v1(280.12,55.39) C9.1
+5V: length 81.1
  Top w0.2: v1(279.14,51.89) 278.61,52.43 278.61,56.15 278.85,56.4 v1(278.85,56.41)
  Top w0.4: v1(293.35,113.51) 292.75,112.91 288.4,112.91 287.66,112.18 v1(287.66,96.04)
  Bottom w0.2: U4.3 280.12,50.91 ; 295.91,114.52 U3.4 ; v1(279.14,51.89) C11.1 ; v1(278.85,56.41) U2.6
  Bottom w0.4: v1(293.35,113.51) U3.4 ; 275.36,59.71 275.36,63.24 281.36,69.24 281.36,80.08 287.66,86.38 v1(287.66,96.04) ; F1.2 277.02,58.05 277.02,57.15 277.98,56.19 C2.1 278.63,56.19 v1(278.85,56.41)
GND: length 282.8
  Top w0.2: v1(290.51,114.72) 293.96,114.72 v1(295.27,113.4) ; 280.38,59.97 280.4,59.99 280.46,59.99
  Top w0.3: v1(291.19,65.13) 286.04,59.97 v1(280.19,59.97) 280.38,59.97 280.4,59.95
  Top w0.4: 296.42,120.27 294.95,121.74 288.99,121.74 287.78,120.53 ; v1(279.29,54.45) 279.77,53.97 284.84,53.97 v2(288.11,50.71)
  Bottom w0.2: v1(190.5,48.42) 191.94,48.42 C73.1 ; v1(122.24,67.47) 120.92,67.47 C51.1 ; C82.1 78.07,29.36 v1(79.49,29.36) ; v1(86.5,10.97) C100.1 ; C75.1 230.04,48.42 v1(228.6,48.42) ; v1(122.24,110.33) 120.92,110.33 C18.1 ; C107.1 277.67,5.54 v1(276.34,5.54) ; C64.1 2.52,48.77 v1(2.45,48.84) ; v1(338.25,10.31) 339.58,10.31 C110.1 ; C49.1 82.82,67.47 v1(84.14,67.47) ; v1(195.26,86.52) 196.58,86.52 C38.1 ; v1(54.88,10.31) 56.21,10.31 C99.1 ; C33.1 101.33,86.52 v1(100.01,86.52) ; v1(42.86,86.52) 44.18,86.52 C30.1 ; v1(319.09,48.42) 320.53,48.42 C78.1 ; v1(117.59,29.36) 116.17,29.36 C84.1 ; v1(288.93,24.61) 287.61,24.61 C92.1 ; v1(65.09,67.47) 63.77,67.47 C48.1 ; v1(23.81,86.52) 25.13,86.52 C29.1 ; C68.1 96.69,48.42 v1(95.25,48.42) ; v1(261.09,85.62) 261.94,84.77 C41.1 ; v1(233.47,10.31) 234.8,10.31 C105.1 ; v1(31.07,10.31) 32.4,10.31 C98.1 ; C1.1 278.67,59.97 v1(280.19,59.97) 280.19,59.78 280.15,59.74 U2.2 ; C1.1 277.5,58.8 277.5,57.77 C2.2 ; C1.1 277.57,58.87 277.57,58.85 277.5,58.78 ; v1(160.34,110.33) 159.02,110.33 C20.1 ; C37.1 177.53,86.52 v1(176.21,86.52) ; C14.1 39.96,110.33 v1(41.27,110.33) ; C69.1 115.74,48.42 v1(114.3,48.42) ; C56.1 216.17,67.47 v1(217.49,67.47) ; C53.1 159.02,67.47 v1(160.34,67.47) ; v1(80.96,86.52) 82.28,86.52 C32.1 ; C55.1 197.12,67.47 v1(198.44,67.47) ; v1(155.69,29.36) 154.27,29.36 C86.1 ; C60.1 311.48,67.47 v1(312.74,67.47) ; v1(171.45,48.42) 172.89,48.42 C72.1 ; v1(38.1,48.42) 39.54,48.42 C65.1 ; C22.1 239.98,110.33 v1(241.3,110.33) ; C58.1 254.27,67.47 v1(255.59,67.47) ; C62.1 349.25,67.47 v1(350.04,66.67) ; v1(295.84,5.55) 295.84,5.54 296.72,5.54 C108.1 ; v1(126.98,10.97) 127.1,10.84 127.11,10.84 C101.1 ; v1(57.15,48.42) 58.59,48.42 C66.1 ; C79.1 339.58,48.42 v1(338.14,48.42) ; v1(214.43,10.31) 215.75,10.31 C104.1 ; 277.99,52.41 277.99,51.78 276.69,50.48 U4.1 ; 277.99,52.41 C12.2 277.99,54.29 ; 277.99,52.41 277.99,52.51 278.01,52.49 279.48,52.49 280.73,51.24 280.73,50.58 280.66,50.51 280.66,50.49 C11.2 ; 354.66,24.85 v1(351.74,27.77) ; v1(209.55,48.42) 210.99,48.42 C74.1 ; v1(284.16,110.33) 282.85,110.33 C26.1 ; C47.1 44.72,67.47 v1(46.04,67.47) ; v1(7.92,10.97) C97.1 ; C34.1 120.38,86.52 v1(119.06,86.52) ; v1(311.94,109.54) 311.15,110.33 C27.1 ; C61.1 330.53,67.47 v1(331.79,67.47) ; v1(196.04,10.97) C103.1 ; v1(141.29,67.47) 139.97,67.47 C52.1 ; v1(133.35,48.42) 134.79,48.42 C70.1 ; v1(61.91,86.52) 63.23,86.52 C31.1 ; v1(319.89,7.23) C109.1 ; v1(231.89,29.36) 230.47,29.36 C90.1 ; v1(203.2,110.33) 201.88,110.33 C25.1 ; R4.2 261.99,34.56 261.6,34.16 261.6,30.71 RST1.2 RST1.2 ; C57.1 235.22,67.47 v1(236.54,67.47) ; v1(300.32,86.9) 301.08,86.9 C42.1 ; C40.1 234.68,86.52 v1(233.36,86.52) ; C45.1 358.5,86.52 v1(357.19,86.52) ; C43.1 320.4,86.52 v1(319.09,86.52) ; v1(103.19,67.47) 101.87,67.47 C50.1 ; v1(295.27,113.4) C10.2 296.69,114.02 R1.1 296.69,115.61 ; v1(157.16,86.52) 158.48,86.52 C36.1 ; v1(179.39,67.47) 178.07,67.47 C54.1 ; v1(290.51,114.72) U3.1 ; v1(79.38,110.33) 78.06,110.33 C16.1 ; v1(76.2,48.42) 77.64,48.42 C67.1 ; C71.1 153.84,48.42 v1(152.4,48.42) ; v1(338.14,86.52) 339.45,86.52 C44.1 ; C35.1 139.43,86.52 v1(138.11,86.52) ; v1(193.79,29.36) 192.37,29.36 C88.1 ; 261.27,48.29 v1(260.35,49.21) ; v1(214.31,86.52) 215.63,86.52 C39.1 ; v1(167.46,10.97) C102.1 ; v1(257.95,6.21) C106.1 ; v1(331.9,29.36) 330.48,29.36 C94.1
  Bottom w0.3: v1(291.19,65.13) C6.2 290.19,64.86 289.51,64.86 288.45,63.8 288.45,63.1 U1.23 ; C7.2 290.6,51.07 291.28,51.07 292.52,52.31 292.52,52.66 U1.47 290.4,54.78 290.4,57.97 ; 290.4,57.97 293.58,57.97 295.34,59.72 ; 290.4,57.97 290.4,61.15 U1.23 ; 290.4,57.97 289.34,57.97 U1.8 285.35,53.97 281.54,53.97 C9.2 281.27,53.97 279.91,53.97 ; U1.23 288.52,63.02 ; U1.35 295.53,59.91 295.88,59.91 297.14,58.65 297.14,58.02 C5.2
  Bottom w0.4: R2.2 296.21,116.57 296.42,116.37 ; J2.S1 295.51,118.81 J2.A12 ; J2.S1 296.42,116.37 ; J2.S1 J2.S1 J2.S1 J2.S1 288.7,118.81 J2.A1 ; 281.32,54.03 C9.2 ; C4.2 v1(279.29,54.45) C3.2 ; 288.13,50.73 v2(288.11,50.71) 288.17,50.65 289.42,50.65 C8.2 ; 296.42,116.37 296.69,116.1 R1.1 ; C7.2 289.53,50.73
  vias: v1(4.89,87.64) v1(13.61,30.94) v1(15.21,63.5) v1(23.02,38.22) v1(25.4,63.5) v1(26.19,106.36) v1(27.78,106.36) v1(28.7,63.5) v1(44.56,30.94) v1(49.21,63.5) v1(62.02,27.77) v1(62.71,106.36) v1(64.41,27.77) v1(65.09,106.36) v1(68.26,106.36) v1(98.54,27.77) v1(100.92,27.77) v1(102.39,106.36) v1(105.57,106.36) v1(108.74,106.36) v1(139.02,27.77) v1(142.19,27.77) v1(143.67,106.36) v1(146.05,106.36) v1(149.22,106.36) v1(177.12,27.77) v1(179.5,27.77) v1(183.36,106.36) v1(185.74,106.36) v1(188.91,106.36) v1(214.43,27.77) v1(216.81,27.77) v1(224.63,106.36) v1(227.01,106.36) v1(230.19,106.36) v1(265.11,106.36) v1(265.53,92.09) v1(265.9,37.81) v1(266.7,96.04) v1(267.49,106.36) v1(270.67,89.69) v1(275.73,38.05) v1(276.99,68) v1(277.81,86.52) v1(277.81,35.72) v1(281.88,56.09) v1(283.37,84.93) v1(287.34,82.55) v1(292.1,26.19) v1(292.89,72.23) v1(299.24,44.45) v1(301.21,50.16) v1(301.62,21.43) v1(315.23,27.77) v1(315.91,82.55) v1(315.91,69.06) v1(315.91,34.13) v1(316.82,27.77) v1(354.01,48.42) v1(357.98,21.43) v1(358.77,60.32) v1(358.77,57.94) v1(360.36,22.22)
